# Altium PCB SOM Board with RK3399.PcbDoc (part 5 of 5)
Units mil, origin at the board's own origin, x right, y up, seen from the top; angles counter-clockwise.
Board outline 2740.16 x 1968.5 mil, 12 copper layers (Top Layer, GND-1, PWR-1, PWR-2, GND-2, L1, GND-3, L2, GND-4, L3, GND-5, Bottom Layer), stack 70.898 mil thick; 560 components, 531 nets, 5756 pads, 63 vias.
Unrouted connection lines stored in the file: 2230.
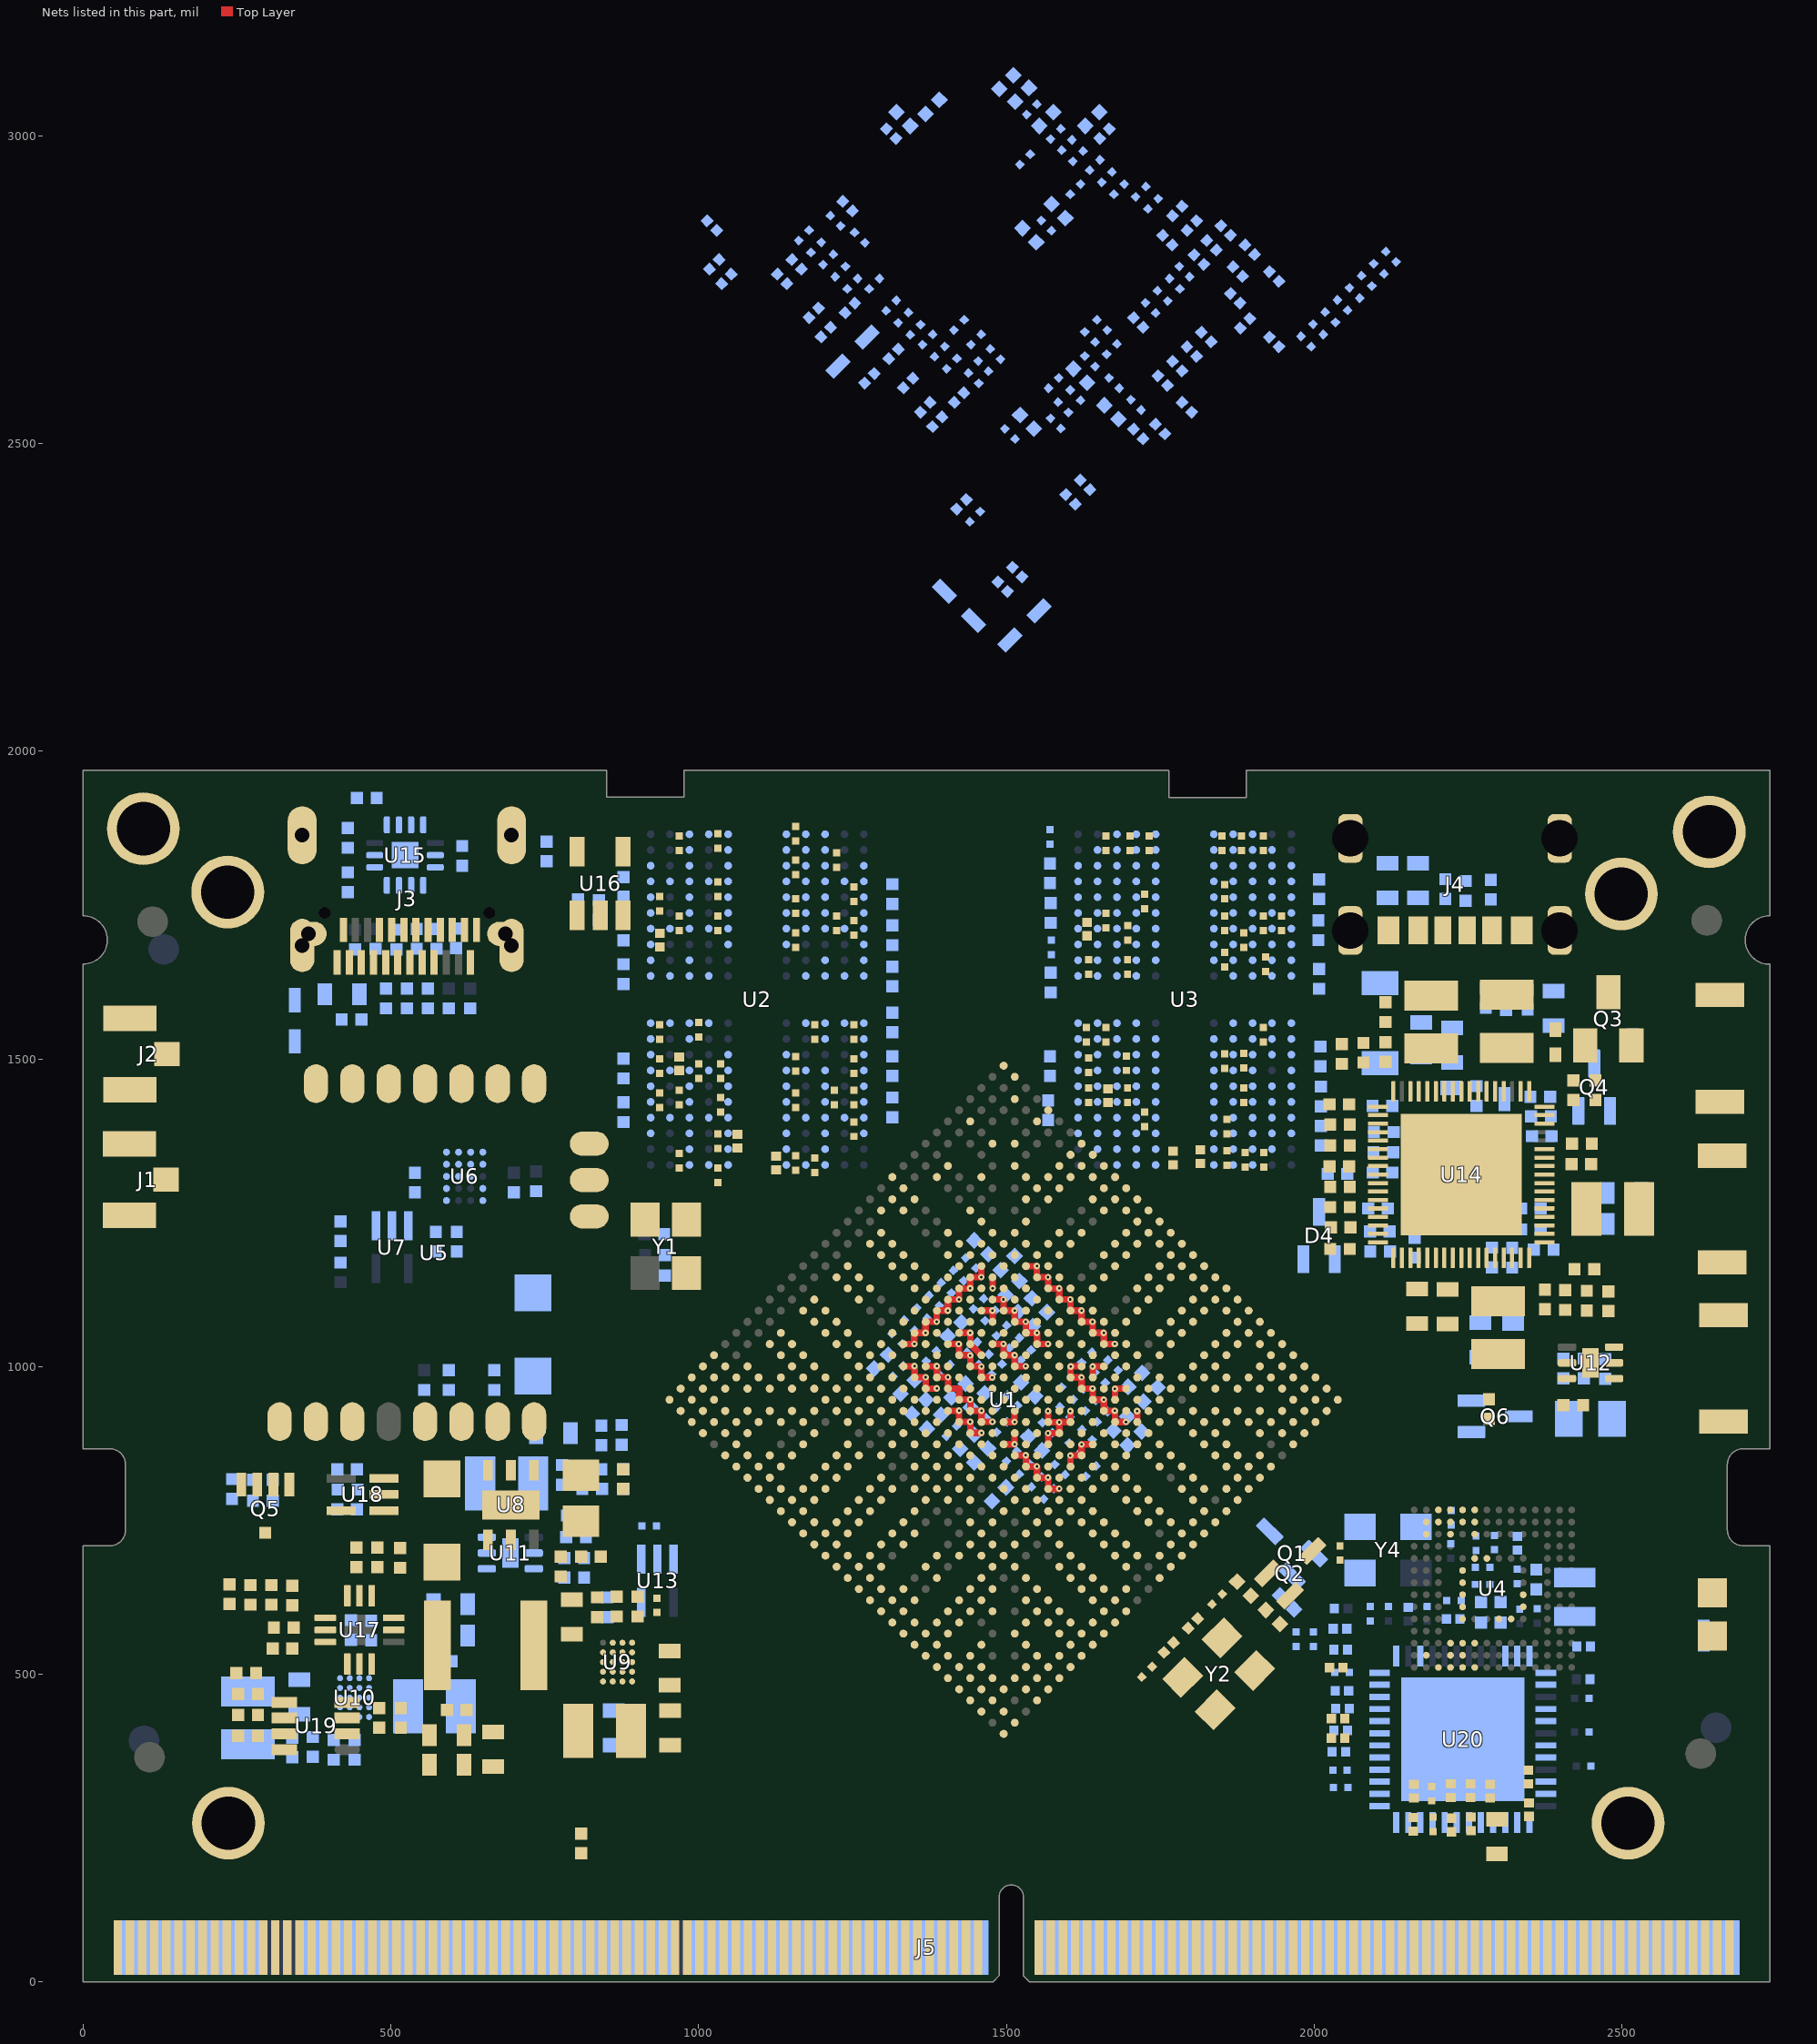
[diagram p12: the nets of this part, all layers, seen from the top]

## Via types
v1: diameter 10.63, hole 3.94, Top Layer to Bottom Layer, 63 vias

## Nets (pads, with @x,y where several pads share a name; then routed paths per layer and width w, separated by ;. In a path a pad name is that pad's centre, name@x,y a point inside that pad or via, vN(x,y) a via of type N, cw(c..) or ccw(c..) an arc to the next point about the centre after c; other vN are vias at no path point) (continued)
DDR0_D28: U1.N2 U2.U9
DDR0_D29: U1.L1 U2.V9
DDR0_D30: U1.M2 U2.Y9
DDR0_D31: U1.L2 U2.AA9
DDR0_DM0: U1.Y5 U2.C3
DDR0_DM1: U1.AC5 U2.C10
DDR0_DM2: U1.U5 U2.Y3
DDR0_DM3: U1.P5 U2.Y10
DDR0_DQS0_N: U1.AA4 U2.E3
DDR0_DQS0_P: U1.Y4 U2.D3
DDR0_DQS1_N: U1.AD4 U2.E10
DDR0_DQS1_P: U1.AC4 U2.D10
DDR0_DQS2_N: U1.V4 U2.V3
DDR0_DQS2_P: U1.U4 U2.W3
DDR0_DQS3_N: U1.R4 U2.V10
DDR0_DQS3_P: U1.P4 U2.W10
DDR0_RST: U1.L7 U2.T11
DDR1_A0: U1.B10 U3.H2 U3.R2
DDR1_A1: U1.A10 U3.J2 U3.P2
DDR1_A2: U1.B9 U3.H9 U3.R9
DDR1_A3: U1.A9 U3.H10 U3.R10
DDR1_A4: U1.B8 U3.H11 U3.R11
DDR1_A5: U1.A8 U3.J11 U3.P11
DDR1_CKE0: U1.A5 U3.J4 U3.P4
DDR1_CKE1: U1.E6 U3.J5 U3.P5
DDR1_CLK1_N: U1.E8 U3.P9
DDR1_CLK1_P: U1.E9 U3.P8
DDR1_CLK_N: U1.D8 U3.J9
DDR1_CLK_P: U1.D9 U3.J8
DDR1_CS0N: U1.F12 U3.H4
DDR1_CS1N: U1.A2 U3.H3
DDR1_CS2N: U1.F11 U3.R4
DDR1_CS3N: U1.B3 U3.R3
DDR1_D0: U1.B15 U3.B2
DDR1_D1: U1.A15 U3.C2
DDR1_D2: U1.B16 U3.E2
DDR1_D3: U1.A16 U3.F2
DDR1_D4: U1.B17 U3.F4
DDR1_D5: U1.A17 U3.E4
DDR1_D6: U1.A18 U3.C4
DDR1_D7: U1.B18 U3.B4
DDR1_D8: U1.B11 U3.B11
DDR1_D9: U1.B12 U3.C11
DDR1_D10: U1.A11 U3.E11
DDR1_D11: U1.B13 U3.F11
DDR1_D12: U1.A12 U3.F9
DDR1_D13: U1.A13 U3.E9
DDR1_D14: U1.A14 U3.C9
DDR1_D15: U1.B14 U3.B9
DDR1_D16: U1.A19 U3.AA2
DDR1_D17: U1.B19 U3.Y2
DDR1_D18: U1.A20 U3.V2
DDR1_D19: U1.B20 U3.U2
DDR1_D20: U1.A21 U3.U4
DDR1_D21: U1.B21 U3.V4
DDR1_D22: U1.B22 U3.Y4
DDR1_D23: U1.A22 U3.AA4
DDR1_D24: U1.A23 U3.AA11
DDR1_D25: U1.B23 U3.Y11
DDR1_D26: U1.A24 U3.V11
DDR1_D27: U1.A25 U3.U11
DDR1_D28: U1.B24 U3.U9
DDR1_D29: U1.A26 U3.V9
DDR1_D30: U1.B25 U3.Y9
DDR1_D31: U1.B26 U3.AA9
DDR1_DM0: U1.E17 U3.C3
DDR1_DM1: U1.E14 U3.C10
DDR1_DM2: U1.E20 U3.Y3
DDR1_DM3: U1.E23 U3.Y10
DDR1_DQS0_N: U1.D17 U3.E3
DDR1_DQS0_P: U1.D18 U3.D3
DDR1_DQS1_N: U1.D14 U3.E10
DDR1_DQS1_P: U1.D15 U3.D10
DDR1_DQS2_N: U1.D20 U3.V3
DDR1_DQS2_P: U1.D21 U3.W3
DDR1_DQS3_N: U1.D23 U3.V10
DDR1_DQS3_P: U1.D24 U3.W10
DDR1_RST: U1.G11 U3.T11
DVDD1V0_RGMII: C341.2 C342.2 R113.2 U20.28 U20.36
DVDD3V3_RGMII: C337.2 C348.2 C349.2 C350.2 R110.2 R111.1 R114.2 R115.2 R116.2 R121.2 R124.2 R126.2 R128.2 R129.2 R130.2 R131.2 U20.15 U20.21 U20.37
EDP_TX0_N: C65.1 J5.249
EDP_TX0_P: C64.1 J5.251
EDP_TX1_N: C67.1 J5.243
EDP_TX1_P: C66.1 J5.245
EDP_TX2_N: C69.1 J5.237
EDP_TX2_P: C68.1 J5.239
EDP_TX3_N: C71.1 J5.231
EDP_TX3_P: C70.1 J5.233
EDPAUX_N: J5.257 U1.A28
EDPAUX_P: J5.255 U1.B28
EFUSE_VQPS_EN_H: U1.AK3 U13.3
EMMC_CLKO: R1.2 U4.M5
EMMC_CMD: U1.J31 U4.M6
EMMC_D0: U1.J28 U4.A3
EMMC_D1: U1.J29 U4.A4
EMMC_D2: U1.J30 U4.A5
EMMC_D3: U1.J25 U4.B2
EMMC_D4: U1.J26 U4.B3
EMMC_D5: U1.J27 U4.B4
EMMC_D6: U1.L31 U4.B5
EMMC_D7: U1.K30 U4.B6
EMMC_RST: C92.2 R50.1 U4.K5
EMMC_STRB: U1.K31 U4.H5
GND: C1.1 C3.1 C4.1 C5.1 C6.1 C7.1 C8.1 C9.1 C10.1 C11.1 C12.1 C13.1 C14.1 C15.1 C16.1 C17.1 C18.1 C19.1 C20.1 C21.1 C24.1 C25.1 C26.1 C27.1 C28.1 C29.1 C30.1 C31.1 C32.1 C33.1 C34.1 C35.1 C36.1 C37.1 C38.1 C39.1 C40.1 C41.1 C42.1 C43.1 C44.1 C45.1 C46.1 C47.1 C48.1 C49.1 C50.1 C51.1 C52.1 C53.1 C54.1 C55.1 C56.1 C57.1 C58.1 C59.1 C60.1 C61.1 C62.1 C63.1 C72.1 C73.1 C74.1 C75.1 C76.2 C77.1 C78.1 C79.2 C80.1 C81.1 C82.1 C83.1 C84.1 C85.1 C86.1 C87.1 C88.1 C89.1 C90.1 C91.1 C92.1 C93.1 C94.1 C95.1 C96.1 C97.1 C98.1 C99.1 C100.1 C101.1 C102.1 C103.1 C104.1 C105.1 C106.1 C107.1 C108.1 C109.1 C110.1 C111.1 C112.1 C113.1 C114.1 C115.1 C116.1 C117.1 C118.1 C119.1 C120.1 C121.1 C122.1 C123.1 C124.1 C125.1 C126.1 C127.1 C128.1 C129.1 C130.1 C131.1 C132.1 C133.1 C134.1 C135.1 C136.1 C137.1 C138.1 C139.1 C140.1 C141.1 C142.1 C143.1 C144.1 C145.1 C146.1 C147.1 C148.1 C149.1 C150.1 C151.1 C152.1 C153.1 C154.1 C155.1 C156.1 C157.1 C158.1 C159.1 C160.1 C161.1 C162.1 C163.1 C164.1 C165.1 C166.1 C167.1 C168.1 C169.1 C170.1 C171.1 C172.1 C173.1 C174.1 C175.1 C176.1 C177.1 C178.1 C179.1 C180.1 C181.1 C182.1 C183.1 C184.1 C185.1 C186.1 C187.1 C188.1 C189.1 C190.1 C191.1 C192.1 C193.1 C194.1 C195.1 C196.1 C197.1 C198.1 C199.1 C200.1 C201.1 C202.1 C203.1 C204.1 C205.1 C206.1 C207.1 C208.1 C209.1 C210.1 C211.1 C212.1 C213.1 C216.1 C217.1 C218.1 C219.2 C221.1 C223.1 C224.1 C225.2 C226.1 C227.1 C228.1 C229.1 C230.1 C231.1 C232.1 C233.1 C234.1 C235.1 C236.1 C237.1 C238.1 C239.1 C240.1 C241.1 C242.1 C243.1 C244.1 C245.1 C246.1 C247.1 C248.1 C249.1 C250.1 C251.1 C252.1 C253.1 C254.1 C255.1 C256.1 C257.1 C258.1 C259.1 C260.1 C261.1 C262.1 C263.1 C264.1 C265.1 C266.1 C267.1 C269.1 C270.1 C271.1 C272.1 C273.2 C274.1 C275.1 C276.1 C277.1 C278.1 C279.1 C280.1 C281.1 C282.2 C283.1 C284.1 C285.1 C286.1 C287.1 C288.1 C289.1 C290.1 C291.1 C292.1 C293.1 C294.2 C295.1 C296.1 C297.1 C298.1 C300.1 C301.1 C302.1 C303.1 C309.1 C310.1 C311.1 C313.1 C314.1 C315.1 C316.1 C317.1 C319.1 C320.1 C321.1 C322.1 C323.1 C324.1 C326.1 C327.1 C328.1 C329.1 C330.1 C331.1 C332.1 C333.1 C334.1 C335.1 C336.1 C337.1 C338.1 C339.1 C340.1 C341.1 C342.1 C343.1 C344.1 C345.1 C346.1 C347.1 C348.1 C349.1 C350.1 C351.1 C352.1 C353.1 C354.1 D1.A D2.A D3.A D6.K D7.A J1.1 J1.3 J2.1 J2.3 J3.A1 J3.A12 J3.B1 J3.B12 J3.S1 J3.S2 J3.S3 J3.S4 J4.A12 J4.B12 J4.E1 J4.E2 J4.E3 J4.E4 J5.9 J5.10 J5.11 J5.12 J5.24 J5.32 J5.35 J5.51 J5.64 J5.65 J5.74 J5.83 J5.86 J5.87 J5.92 J5.96 J5.109 J5.110 J5.113 J5.114 J5.119 J5.120 J5.125 J5.126 J5.131 J5.132 J5.137 J5.138 J5.143 J5.144 J5.146 J5.149 J5.152 J5.155 J5.158 J5.161 J5.164 J5.167 J5.170 J5.173 J5.176 J5.179 J5.182 J5.185 J5.188 J5.191 J5.194 J5.197 J5.200 J5.203 J5.206 J5.209 J5.212 J5.217 J5.218 J5.223 J5.224 J5.229 J5.230 J5.235 J5.236 J5.241 J5.242 J5.247 J5.248 J5.253 J5.254 J5.259 J5.260 MH1.1 MH2.1 MH3.1 MH4.1 MH5.1 MH6.1 Q2.2 Q4.2 Q6.2 R3.1 R5.1 R6.2 R7.2 R8.2 R10.2 R12.2 R13.2 R14.2 R15.2 R16.2 R21.2 R22.2 R38.1 R39.1 R40.1 R41.1 R43.1 R47.1 R53.1 R57.1 R59.2 R66.1 R71.1 R72.1 R75.1 R80.1 R88.1 R92.1 R93.1 R95.1 R96.1 R97.1 R102.1 R103.2 R106.1 R109.1 R118.1 R122.1 R123.1 R125.1 R127.1 SW2.1 SW3.1 U1.A1 U1.A27 U1.A31 U1.AA3 U1.AA5 U1.AA9 U1.AA10 U1.AA11 U1.AA12 U1.AA13 U1.AA14 U1.AA15 U1.AA23 U1.AA26 U1.AA29 U1.AB9 U1.AB10 U1.AB11 U1.AB13 U1.AB15 U1.AB16 U1.AB17 U1.AB19 U1.AB23 U1.AC3 U1.AC11 U1.AC13 U1.AC15 U1.AC16 U1.AC17 U1.AC18 U1.AC20 U1.AC21 U1.AC22 U1.AC23 U1.AC25 U1.AC26 U1.AC29 U1.AD3 U1.AD5 U1.AD10 U1.AD13 U1.AD17 U1.AD21 U1.AD22 U1.AD26 U1.AD29 U1.AE11 U1.AE12 U1.AE14 U1.AE17 U1.AE23 U1.AE27 U1.AF9 U1.AF17 U1.AF18 U1.AF20 U1.AF23 U1.AF24 U1.AF29 U1.AG2 U1.AG29 U1.AH29 U1.AJ5 U1.AJ6 U1.AJ8 U1.AJ9 U1.AJ11 U1.AJ12 U1.AJ14 U1.AJ15 U1.AJ17 U1.AJ18 U1.AJ20 U1.AJ21 U1.AJ23 U1.AJ24 U1.AJ26 U1.AJ27 U1.AJ28 U1.AJ29 U1.AL1 U1.AL31 U1.B5 U1.B31 U1.C8 U1.C9 U1.C11 U1.C12 U1.C14 U1.C15 U1.C17 U1.C18 U1.C20 U1.C21 U1.C23 U1.C24 U1.C26 U1.C28 U1.C29 U1.D5 U1.D29 U1.E2 U1.E4 U1.E7 U1.E12 U1.E15 U1.E18 U1.E21 U1.E24 U1.E31 U1.F8 U1.F15 U1.F18 U1.F20 U1.F21 U1.G5 U1.G9 U1.G18 U1.G27 U1.H3 U1.H9 U1.H10 U1.H11 U1.H12 U1.H13 U1.H15 U1.H16 U1.H17 U1.H18 U1.H19 U1.H26 U1.J3 U1.J6 U1.J7 U1.J8 U1.J9 U1.J10 U1.J21 U1.K8 U1.K9 U1.K10 U1.K12 U1.K14 U1.K16 U1.K18 U1.K20 U1.K22 U1.L3 U1.L6 U1.L8 U1.L11 U1.L12 U1.L13 U1.L14 U1.L15 U1.L16 U1.L20 U1.L22 U1.L27 U1.M3 U1.M8 U1.M10 U1.M16 U1.M23 U1.N8 U1.N13 U1.N14 U1.N15 U1.N16 U1.N17 U1.N19 U1.N21 U1.P3 U1.P6 U1.P7 U1.P8 U1.P10 U1.P11 U1.P12 U1.P16 U1.P17 U1.P19 U1.P21 U1.R3 U1.R5 U1.R6 U1.R14 U1.R15 U1.R16 U1.R18 U1.R21 U1.R23 U1.T8 U1.T10 U1.T16 U1.T18 U1.T19 U1.T21 U1.U3 U1.U8 U1.U11 U1.U12 U1.U14 U1.U15 U1.U16 U1.U19 U1.U21 U1.U22 U1.U23 U1.U29 U1.V3 U1.V5 U1.V8 U1.V10 U1.V17 U1.V23 U1.W8 U1.W9 U1.W13 U1.W17 U1.W18 U1.W19 U1.W21 U1.W22 U1.W23 U1.W30 U1.Y3 U1.Y9 U1.Y10 U1.Y11 U1.Y12 U1.Y13 U1.Y14 U1.Y15 U1.Y16 U1.Y17 U1.Y20 U1.Y23 U1.Y29 U2.A3 U2.A10 U2.AB3 U2.AB5 U2.AB8 U2.AB10 U2.C1 U2.C5 U2.C8 U2.C12 U2.D2 U2.D4 U2.D9 U2.D11 U2.E1 U2.E5 U2.E8 U2.E12 U2.G1 U2.G3 U2.G5 U2.G8 U2.G10 U2.G12 U2.J1 U2.J3 U2.J10 U2.J12 U2.K2 U2.K4 U2.K9 U2.K11 U2.N2 U2.N4 U2.N9 U2.N11 U2.P1 U2.P3 U2.P10 U2.P12 U2.T1 U2.T3 U2.T5 U2.T8 U2.T10 U2.T12 U2.V1 U2.V5 U2.V8 U2.V12 U2.W2 U2.W4 U2.W9 U2.W11 U2.Y1 U2.Y5 U2.Y8 U2.Y12 U3.A3 U3.A10 U3.AB3 U3.AB5 U3.AB8 U3.AB10 U3.C1 U3.C5 U3.C8 U3.C12 U3.D2 U3.D4 U3.D9 U3.D11 U3.E1 U3.E5 U3.E8 U3.E12 U3.G1 U3.G3 U3.G5 U3.G8 U3.G10 U3.G12 U3.J1 U3.J3 U3.J10 U3.J12 U3.K2 U3.K4 U3.K9 U3.K11 U3.N2 U3.N4 U3.N9 U3.N11 U3.P1 U3.P3 U3.P10 U3.P12 U3.T1 U3.T3 U3.T5 U3.T8 U3.T10 U3.T12 U3.V1 U3.V5 U3.V8 U3.V12 U3.W2 U3.W4 U3.W9 U3.W11 U3.Y1 U3.Y5 U3.Y8 U3.Y12 U4.A6 U4.C4 U4.E7 U4.G5 U4.H10 U4.J5 U4.K8 U4.N2 U4.N5 U4.P4 U4.P6 U5.5 U5.7 U5.8 U5.10 U5.14 U6.D1 U7.2 U8.2 U8.7 U9.B2 U9.B3 U9.B4 U9.C1 U9.C2 U9.C3 U9.C4 U10.B2 U10.B3 U10.B4 U10.C1 U10.C2 U10.C3 U10.C4 U11.5 U11.7 U12.5 U12.7 U13.2 U14.21 U14.22 U14.27 U14.28 U14.30 U14.38 U14.40 U14.41 U14.46 U14.57 U14.62 U14.64 U14.69 U15.9 U15.15 U16.2 U17.2 U17.10 U18.2 U19.4 U19.6 U20.47 U20.49 Y1.2 Y2.2 Y2.4 Y4.2 Y4.4
GPIO0_A2: J5.37 U1.N24
GPIO0_A6/PWM3A_IR: J5.49 U1.P25
GPIO0_B5/LED1_OUT: R108.1 U1.P24
GPIO1_A0: J5.34 U1.R25
GPIO1_A1: J5.36 U1.T31
GPIO1_A2_CC_INT_L: U1.R26 U15.5
GPIO1_A3: J5.38 U1.R27
GPIO1_A4: J5.40 U1.R28
GPIO1_B5_TP_RST: J5.82 U1.M24
GPIO1_C2: J5.42 U1.N31
GPIO1_C4_TP_INT: J5.84 U1.M29
GPIO1_C6: J5.44 U1.L25
GPIO1_C7: J5.46 U1.M31
GPIO1_D0: J5.48 U1.L26
GPIO2_A2: J5.39 U1.H30
GPIO2_A3: J5.41 U1.F28
GPIO2_A4: J5.43 U1.H29
GPIO2_A5: J5.45 U1.F29
GPIO2_A6: J5.47 U1.H27
GPIO2_B3_CIF_CLKOUTA: J5.111 U1.H31
GPIO4_C0/I2C3_SDA: J5.68 U1.AG6
GPIO4_C1/I2C3_SCL: J5.66 U1.AL2
GPIO4_C5/SPDIF_TX: J5.50 U1.AK1
GPIO4_C6/PWM1: J5.90 U1.AL3
GPIO4_D0_PCB0: R34.1 R38.2 U1.AE6
GPIO4_D1_PCB1: R35.1 R39.2 U1.AK4
GPIO4_D2: U1.AH3 U16.4
GPIO4_D5_LCD_BL_EN: J5.78 R109.2 U1.AJ3
GPIO4_D6_LCD_RST_H: J5.80 U1.AG4
GPU_SLEEP: U1.M25 U10.A1
HDMI_CEC: J5.145 U1.AD7
HDMI_HPD: D1.K J5.147 R5.2 U1.AE15
HDMI_TX0_N: J5.157 U1.AL17
HDMI_TX0_P: J5.159 U1.AK17
HDMI_TX1_N: J5.163 U1.AL18
HDMI_TX1_P: J5.165 U1.AK18
HDMI_TX2_N: J5.169 U1.AL19
HDMI_TX2_P: J5.171 U1.AK19
HDMI_TXCLK_N: J5.151 U1.AL16
HDMI_TXCLK_P: J5.153 U1.AK16
HOST0_D_N: J5.221 U1.AB31
HOST0_D_P: J5.219 U1.AB30
HOST1_D_N: J5.227 U1.AA31
HOST1_D_P: J5.225 U1.AA30
HP_DET_H: J5.76 U1.AH5
I2C1_SCL: J5.53 R37.1 U1.Y6
I2C1_SDA: J5.55 R36.1 U1.AG1
I2C2_SCL: J5.59 R18.1 U1.H25
I2C2_SDA: J5.57 R17.1 U1.G31
I2C4_TPSCL: J5.70 R31.1 U1.P30 U15.6
I2C4_TPSDA: J5.72 R32.1 U1.P31 U15.7
I2C7_SCL_HDMI: J5.61 R19.1 U1.H28
I2C7_SDA_HDMI: J5.63 R20.1 U1.G30
I2C_SCL_PMIC: R30.1 U1.N30 U9.A3 U10.A3 U14.19
I2C_SDA_PMIC: R33.1 U1.M26 U9.B1 U10.B1 U14.18
I2S0_LRCK_RX: J5.69 U1.AF4
I2S0_LRCK_TX: J5.71 U1.AJ2
I2S0_SCLK: J5.67 U1.AG3
I2S0_SDI0: J5.73 U1.Y7
I2S0_SDI1SDO3: J5.75 U1.AE5
I2S0_SDI2SDO2: J5.77 U1.AA6
I2S0_SDI3SDO1: J5.79 U1.AH2
I2S0_SDO0: J5.81 U1.AH1
I2S1_LRCK_RX: J5.91 U1.AA7
I2S1_LRCK_TX: J5.93 U1.AJ1
I2S1_SCLK: J5.89 U1.AF3
I2S1_SDI0: J5.95 U1.AD6
I2S1_SDO0: J5.97 U1.AC6
I2S_CLK: J5.85 U1.AC7
LAN_LED0_AD0: J5.232 R121.1 U20.34
LAN_LED0_AD1: J5.234 R122.2 U20.35
LED2_RXDLY: R127.2 R128.1 U20.32
LOG_DVS_PWM: R68.1 R70.2 U1.M28
MAC_COL: R124.1 U1.D27 U20.33
MAC_CRS: C345.2 R116.1 U1.B27 U20.29
MAC_MCLK: R27.2 R117.1
MAC_MDC: U1.E29 U20.30
MAC_MDIO: R114.1 U1.G26 U20.31
MAC_RXCLK: R119.1 U1.F25
MAC_RXD0: R129.1 U1.E26 U20.14
MAC_RXD1: R125.2 R126.1 U1.F27 U20.16
MAC_RXD2: R130.1 U1.E30 U20.17
MAC_RXD3: R131.1 U1.E25 U20.18
MAC_RXDV: R123.2 U1.C27 U20.13
MAC_RXER: R115.1 U1.F23 U20.20
MAC_TXCLK: R29.2 R120.1
MAC_TXD0: R25.2 U20.23
MAC_TXD1: R26.2 U20.24
MAC_TXD2: R23.2 U20.25
MAC_TXD3: R24.2 U20.26
MAC_TXEN: R28.2 U20.27
MDI0_N: J5.256 U20.2
MDI0_P: J5.258 U20.1
MDI1_N: J5.250 U20.5
MDI1_P: J5.252 U20.4
MDI2_N: J5.244 U20.8
MDI2_P: J5.246 U20.7
MDI3_N: J5.238 U20.11
MDI3_P: J5.240 U20.10
MIPI_CSI0_PWM: J5.101 U1.AF8
MIPI_CSI0_RST: J5.99 U1.AD9
MIPI_CSI1_PWN: J5.105 U1.V26
MIPI_CSI1_RST: J5.103 U1.U28
MIPI_RX0_CLK_N: J5.127 U1.AL13
MIPI_RX0_CLK_P: J5.129 U1.AK13
MIPI_RX0_D0_N: J5.139 U1.AL15
MIPI_RX0_D0_P: J5.141 U1.AK15
MIPI_RX0_D1_N: J5.133 U1.AL14
MIPI_RX0_D1_P: J5.135 U1.AK14
MIPI_RX0_D2_N: J5.121 U1.AL12
MIPI_RX0_D2_P: J5.123 U1.AK12
MIPI_RX0_D3_N: J5.115 U1.AL11
MIPI_RX0_D3_P: J5.117 U1.AK11
MIPI_TX0_CLK_N: J5.160 U1.AH12
MIPI_TX0_CLK_P: J5.162 U1.AG12
MIPI_TX0_D0_N: J5.172 U1.AH15
MIPI_TX0_D0_P: J5.174 U1.AG15
MIPI_TX0_D1_N: J5.166 U1.AH14
MIPI_TX0_D1_P: J5.168 U1.AG14
MIPI_TX0_D2_N: J5.154 U1.AH11
MIPI_TX0_D2_P: J5.156 U1.AG11
MIPI_TX0_D3_N: J5.148 U1.AH9
MIPI_TX0_D3_P: J5.150 U1.AG9
MIPI_TX1/RX1_CLK_N: J5.128 U1.AL8
MIPI_TX1/RX1_CLK_P: J5.130 U1.AK8
MIPI_TX1/RX1_D0_N: J5.116 U1.AL6
MIPI_TX1/RX1_D0_P: J5.118 U1.AK6
MIPI_TX1/RX1_D1_N: J5.122 U1.AL7
MIPI_TX1/RX1_D1_P: J5.124 U1.AK7
MIPI_TX1/RX1_D2_N: J5.134 U1.AL9
MIPI_TX1/RX1_D2_P: J5.136 U1.AK9
MIPI_TX1/RX1_D3_N: J5.140 U1.AL10
MIPI_TX1/RX1_D3_P: J5.142 U1.AK10
NetC60_2: C60.2 R4.1 U1.AH26
NetC210_2: C210.2 U4.C2
NetC241_2: C241.2 R60.1 U9.A2
NetC242_2: C242.2 R62.1 U10.A2
NetC248_2: C248.2 R67.2 U11.2
NetC249_2: C249.2 R68.2 R69.2 R71.2
NetC250_2: C250.2 R76.2 U1.T30
NetC251_2: C251.2 R77.2 U1.Y31 Y2.1
NetC252_2: C252.2 R78.1 Y2.3
NetC253_2: C253.2 FB9.2 U1.P18
NetC254_2: C254.2 FB8.2 U1.R17
NetC255_2: C255.2 C256.2 FB10.1 U1.R24 U1.U25
NetC268_1: C268.1 R79.1 R80.2 U14.56
NetC272_2: C272.2 U14.37
NetC282_1: C282.1 U14.65 Y3.2
NetC294_1: C294.1 R81.2 Y3.1
NetC295_2: C295.2 D5.K D6.A R83.1 R86.2 U14.51
NetC299_2: C299.2 R87.2
NetC304_2: C304.2 J3.A8 R93.2 R94.2
NetC305_2: C305.2 J3.B8 R91.2 R92.2
NetC318_1: C318.1 L9.1 U17.7
NetC318_2: C318.2 R98.2
NetC319_2: C319.2 C320.2 C321.2 Q5.5 R99.2 U17.1
NetC325_2: C325.2 Q5.4 R100.2 R102.2
NetC326_2: C326.2 R104.1 U17.9
NetC330_2: C330.2 U17.6 U18.1 U18.3
NetC354_2: C354.2 R132.1 Y4.3
NetD2_K: D2.K R9.1 U1.AK30
NetD3_K: D3.K R11.1 U1.AK31
NetDS1_A: DS1.A R107.1